# Altium PCB OpenFAN_Base_Pi2040.PcbDoc (continued)
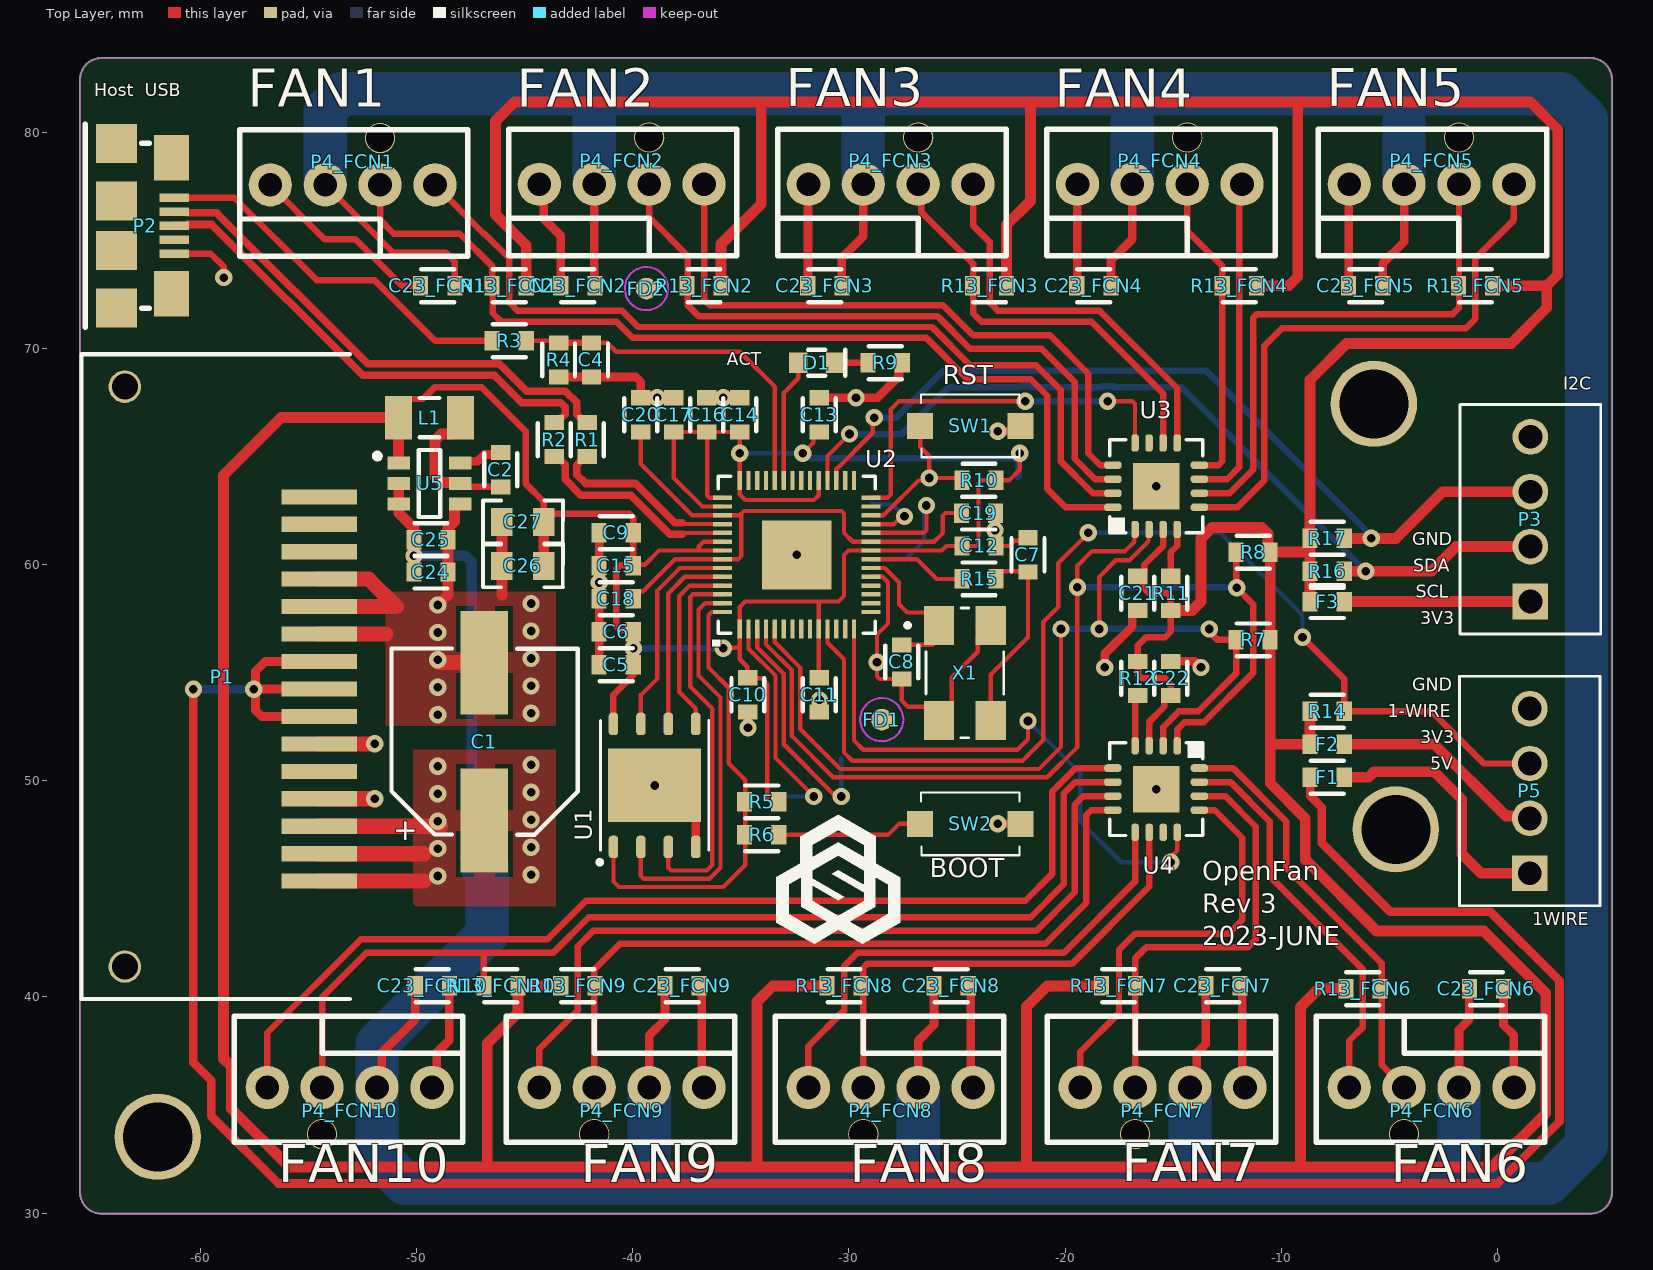
[diagram p0: Top Layer view]
## Part data
C1: "220 µF 20 V Aluminum - Polymer Capacitors Radial, Can - SMD 29mOhm 2000 Hrs @ 125°C", Distributor Part Number=399-A768KE227M1DLAE029TR-ND, Manufacturer=KEMET, Manufacturer Part Number=A768KE227M1DLAE029, Voltage=20V, Distributor=DigiKey
C2 C4 C5 C6 C7 C8 C9 C10 C11 C12 C13 C14 C15 C16 C17 C18 C19 C20 C21 C22 C23_FCN1 C23_FCN2 C23_FCN3 C23_FCN4 C23_FCN5 C23_FCN6 C23_FCN7 C23_FCN8 C23_FCN9 C23_FCN10 C24 C25 C26 C27: "Capacitor"
D1: "Typical RED GaAs LED", PackageDescription="LED; 2 Leads", PackageReference=LED-1
F1 F2 F3: library part "Fuse PTC Resettable", "Thermal Fuse", Distributor=DigiKey
FD1 FD2: library part Fiducial
P1: library part SATA-Power, URL=https://www.bsc-elec.com/product/Serial-ATA-SATA-15P-Female-Connector-SMT-Surface-Mount.html, URL2=https://www.smp-tech.com/_interconnect/specs/pdf/w/w310-1507-0mxx-z.pdf
P2: library part "USB Micro", "Micro USB Connector", Distributor=Digikey
P3 P5: library part Terminal-1546215-4, "4 Position Wire to Board Terminal Block Horizontal with Board 0.100\" (2.54mm) Through Hole", Distributor Part Number=A135088-ND, Manufacturer="TE Connectivity AMP Connectors", Distributor=DigiKey, Manufacturer Part Number=1546215-4
P4_FCN1 P4_FCN2 P4_FCN3 P4_FCN4 P4_FCN5 P4_FCN6 P4_FCN7 P4_FCN8 P4_FCN9 P4_FCN10: library part "Header 4-pin Intel Fan", "4 Positions Header Connector 0.100\" (2.54mm) Through Hole Tin", Manufacturer=Molex, Manufacturer Part Number=0470531000, Distributor=DigiKey, Distributor Part Number=WM4330-ND
R1 R2 R3 R4 R5 R6 R7 R8 R9 R10 R11 R12 R13_FCN1 R13_FCN2 R13_FCN3 R13_FCN4 R13_FCN5 R13_FCN6 R13_FCN7 R13_FCN8 R13_FCN9 R13_FCN10 R14 R15 R16 R17: "Resistor", PackageDescription="Axial Device, Thru-Hole; 2 Leads; 0.3 in Pin Spacing", PackageReference=AXIAL-0.3
U1: "FLASH - NOR Memory IC 32Mbit SPI - Quad I/O 133 MHz 8-WSON (6x5)", Distributor Part Number=W25Q32JVZPIQ-ND, Manufacturer="Winbond Electronics", Distributor=DigiKey, Manufacturer Part Number=W25Q32JVZPIQ
U2: library part SC0908(13), "ARM® Cortex®-M0+ - Microcontroller IC 32-Bit Dual-Core 133MHz External Program Memory 56-QFN (7x7)", Distributor Part Number=2648-SC0914(13)CT-ND, Manufacturer="Raspberry Pi", Manufacturer Part Number=SC0914(13), Distributor=DigiKey
U3 U4: "Motor Driver PWM 16-QFN (4x4)", Distributor Part Number=EMC2305-1-AP-CT-ND, Manufacturer="Microchip Technology", Distributor=DigiKey, Manufacturer Part Number=EMC2305-1-AP-TR
U5: "Buck Switching Regulator IC Positive Fixed 3.3V 1 Output 2A SOT-23-6 Thin, TSOT-23-6", Distributor Part Number=AP63203WU-7DICT-ND, Manufacturer="Diodes Incorporated", Distributor=DigiKey, Manufacturer Part Number=AP63203WU-7
X1: library part XTAL-ABMM2-12.000MHZ-E2-T, "CRYSTAL 12.0000MHZ 18PF SMD", Distributor Part Number=535-9631-1-ND, Manufacturer="Abracon LLC", Manufacturer Part Number=ABMM2-12.000MHZ-E2-T, Distributor=DigiKey

## Free pads (board coordinates)
  round 4 hole 3.2: ""(-61.976,33.528) ""(-5.715,67.437) ""(-4.699,47.752)

## Via types
v1: diameter 0.8, hole 0.4, Top Layer to Bottom Layer, tented both sides, 67 vias

## Nets (pads, with @x,y where several pads share a name; then routed paths per layer and width w, separated by ;. In a path a pad name is that pad's centre, name@x,y a point inside that pad or via, vN(x,y) a via of type N, cw(c..) or ccw(c..) an arc to the next point about the centre after c; other vN are vias at no path point)
1-WIRE: P5.3 R14.1 U2.11 | length 52.6
  Top Layer w0.2: U2.11 -30.988,56.388 -30.226,55.626 -30.226,51.308 -29.845,50.927 -21.971,50.927 -21.012,51.886 -21.012,57.347 -20.32,58.039 -20.32,60.071 v1(-18.923,61.468)
  Top Layer w0.3: v1(-9.017,56.642) -7.084,54.709 R14.1 -3.048,53.213 -0.635,50.8 P5.3
  Bottom Layer w0.2: v1(-18.923,61.468) -12.827,61.468 -9.017,57.658 v1(-9.017,56.642)
1V1: C18.2 C19.2 C20.2 U2.23 U2.45 U2.50 | length 27.3
  Top Layer w0.2: C18.2 -39.977,58.52 -39.727,58.77 -39.528,58.77 -38.049,60.249 U2.50 -35.128,60.249 -34.976,60.401 -34.976,62.274 ; C20.2 -39.624,64.643 -37.262,62.281 U2.45 -34.983,62.281 -34.976,62.274 ; C19.2 -25.537,62.387 -25.654,62.269 -25.654,61.468 -26.06,61.062 U2.23 -29.82,61.062 -30.226,61.468 -30.226,62.367 -30.343,62.484 -34.859,62.484 -34.976,62.367 -34.976,62.274
3V3: C5.2 C6.2 C9.2 C10.2 C11.2 C12.2 C13.2 C14.2 C15.2 C16.2 C17.2 C21.2 C22.2 C26.2 C27.2 F2.2 F3.2 L1.2 R5.1 R7.2 R8.2 R10.2 R11.2 R12.2 R13_FCN1.2 R13_FCN2.2 R13_FCN3.2 R13_FCN4.2 R13_FCN5.2 R13_FCN6.2 R13_FCN7.2 R13_FCN8.2 R13_FCN9.2 R13_FCN10.2 R14.2 R16.2 R17.2 TP1.1 U1.8 U2.1 U2.10 U2.22 U2.33 U2.42 U2.43 U2.44 U2.48 U2.49 U3.3 U4.3 U5.1 | length 437.7
  Top Layer w0.2: C15.2 -39.924,59.997 -39.444,59.997 -38.786,60.655 -36.946,60.655 ; U2.49@-35.862,60.655 -36.946,60.655 ; U2.44@-35.862,62.687 -36.779,62.687 -38.1,64.008 C17.2 C16.2 ; U2.43@-35.862,63.094 -36.446,63.094 -36.551,63.198 -36.551,66.114 C16.2 ; U2.48 -36.728,61.062 -36.946,60.844 -36.946,60.655 ; v1(-35.814,56.134) -35.794,56.154 -35.052,56.154 ; U2.1@-35.052,57.001 -35.052,56.154 ; U2.1 -35.052,58.039 -34.798,58.293 -31.394,58.293 ; U2.42 -35.052,63.246 -34.798,62.992 -31.613,62.992 -31.394,63.211 U2.33 ; U2.42@-35.052,63.903 v1(-35.052,65.151) C14.2 C16.2 ; R5.1 -33.655,49.022 -33.782,49.149 -33.782,54.483 -34.036,54.737 -34.643,54.737 C10.2 -34.704,54.798 -34.704,55.278 -35.052,55.626 -35.052,56.154 ; v1(-32.131,65.151) -31.639,65.643 -31.639,65.889 -31.389,66.139 C13.2 ; U2.10@-31.394,57.001 -31.394,54.79 C11.2 ; U2.10 -31.394,58.293 ; U2.22 -30.023,60.655 -30.226,60.452 -30.226,58.547 -30.48,58.293 -31.394,58.293 ; U2.22@-28.959,60.655 -25.705,60.655 -25.496,60.864 -25.043,60.864 C12.2@-24.793,61.114 ; C12.2 -24.122,60.863 -24.005,60.98 -24.005,63.793 -23.888,63.911 R10.2 -22.576,63.911 -22.098,64.389 v1(-22.098,65.151)
  Top Layer w0.3: L1.2 -50.838,67.197 -50.373,67.662 -49.712,67.662 -49.175,68.199 -46.99,68.199 -44.958,66.167 -44.958,63.754 -44.115,62.911 C27.2@-44.115,62.007 ; C27.2 C27.2@-44.115,62.007 ; U1.8 -40.894,53.975 -39.977,54.892 C5.2 v1(-39.977,56.134) C6.2 -40.055,56.974 -40.591,56.974 -40.767,57.15 -40.767,59.8 -40.591,59.976 C15.2@-40.177,59.976 ; C15.2 C9.2 -39.977,62.181 -40.153,62.357 -43.765,62.357 C27.2@-44.115,62.007 ; U4.3 -16.114,52.72 -15.413,53.421 -15.413,53.747 -15.213,53.947 C22.2 -15.113,54.483 -15.367,54.737 -16.461,54.737 -16.606,54.882 -16.606,55.496 R12.2 -16.637,56.261 -16.256,56.642 -15.367,56.642 -15.113,56.896 R11.2 -15.113,58.498 -15.289,58.674 -16.129,58.674 -16.383,58.928 -16.383,59.264 -16.456,59.337 -16.51,59.337 C21.2 -16.537,59.464 -16.337,59.664 -16.337,59.99 -15.464,60.863 U3.3
  Top Layer w0.5: U5.1 -50.833,64.709 -50.833,66.797 L1.2 -56.261,66.802 -58.928,64.135 -58.928,37.156 -58.576,36.803 -58.576,34.827 -55.88,32.131 -46.736,32.131 ; R13_FCN1.2 -44.93,74.775 -46.355,76.2 -46.355,80.518 -45.466,81.407 -34.056,81.407 ; C26.2 C27.2 ; R13_FCN9.2 R13_FCN10.2 -45.311,39.271 -46.736,37.846 -46.736,32.131 ; R13_FCN2.2 -35.913,74.831 -34.056,76.688 -34.056,81.407 ; R13_FCN8.2 -33.528,40.513 -34.257,39.784 -34.257,32.131 ; R13_FCN3.2 -22.705,75.72 -21.599,76.826 -21.599,81.407 ; R13_FCN7.2 -20.828,40.513 -21.779,39.562 -21.779,32.131 ; R11.2 -14.125,57.884 -13.716,58.293 -13.716,61.214 -13.208,61.722 -10.906,61.722 -10.613,61.429 -10.613,60.679 R8.2 ; R13_FCN4.2 -9.652,72.898 -9.235,73.315 -9.235,81.407 ; R14.2 F2.2 -8.667,51.692 -10.513,51.692 ; F3.2 R16.2 -8.664,60.452 ; R13_FCN6.2 -8.255,40.386 -9.106,39.535 -9.106,32.131 ; R13_FCN5.2 2.286,72.898 ; -46.736,32.131 -34.257,32.131 ; -34.257,32.131 -21.779,32.131 ; -34.056,81.407 -21.599,81.407 ; -21.779,32.131 -9.106,32.131 ; -21.599,81.407 -9.235,81.407 ; -10.513,51.692 R7.2 R8.2 ; -10.513,51.692 -10.513,49.883 -8.89,48.26 -8.89,46.355 -5.588,43.053 -0.635,43.053 2.238,40.18 2.238,34.623 -0.254,32.131 -9.106,32.131 ; R8.2 -8.791,60.579 -8.664,60.452 ; -9.235,81.407 1.524,81.407 2.794,80.137 2.794,73.406 2.286,72.898 ; -8.664,60.452 R17.2 -8.664,68.552 -6.985,70.231 0.635,70.231 2.286,71.882 2.286,72.898
  Bottom Layer w0.2: v1(-35.052,65.151) v1(-32.131,65.151)
  Bottom Layer w0.3: v1(-39.977,56.134) v1(-35.814,56.134) ; v1(-32.131,65.151) -31.996,65.151 -31.77,64.925 v1@-22.324,64.925 ; TP1.1 -22.15,64.086 -22.15,65.099 v1(-22.098,65.151)
5V: F1.2 P1.7 P1.8 P1.9 | length 122.2
  Top Layer w0.4: v1(-60.325,54.229) -60.325,36.957 -59.505,36.137 -59.505,34.486 -56.388,31.369 0,31.369 2.87,34.239 2.87,40.745 -0.327,43.942 -4.953,43.942 -8.128,47.117 -8.128,48.768 -8.664,49.304 F1.2 ; P1.9 -57.168,52.977 -57.454,53.263 -57.454,54.152 v1(-57.531,54.229) v1@-57.513,54.247 ; P1.8 v1@-57.513,54.247 ; P1.7 -57.005,55.517 -57.454,55.068 -57.454,54.306 v1@-57.513,54.247
  Bottom Layer w0.4: v1(-60.325,54.229) v1(-57.531,54.229)
12V: C1.1 C23_FCN1.2 C23_FCN2.2 C23_FCN3.2 C23_FCN4.2 C23_FCN5.2 C23_FCN6.2 C23_FCN7.2 C23_FCN8.2 C23_FCN9.2 C23_FCN10.2 C24.2 C25.2 P1.13 P1.14 P1.15 P4_FCN1.2 P4_FCN2.2 P4_FCN3.2 P4_FCN4.2 P4_FCN5.2 P4_FCN6.2 P4_FCN7.2 P4_FCN8.2 P4_FCN9.2 P4_FCN10.2 U5.2 U5.3 | length 305.8
  Top Layer w0.3: P4_FCN1.2 -51.082,74.422 -48.641,74.422 -48.232,74.013 C23_FCN1.2
  Top Layer w0.4: P4_FCN10.2 -51.613,36.033 -51.613,37.414 -50.066,38.961 C23_FCN10.2 ; P4_FCN2.2 -41.783,72.926 C23_FCN2.2 ; P4_FCN9.2 -39.243,38.227 -38.509,38.961 C23_FCN9.2 ; C23_FCN3.2 -30.325,74.196 -29.337,75.184 P4_FCN3.2 ; P4_FCN8.2 -26.797,37.973 -26.063,38.707 C23_FCN8.2 ; C23_FCN4.2 -17.879,74.069 -16.891,75.057 P4_FCN4.2 ; P4_FCN7.2 -13.918,36.12 -13.918,37.39 -13.49,37.818 C23_FCN7.2 ; C23_FCN5.2 -5.306,73.942 -4.318,74.93 P4_FCN5.2 ; P4_FCN6.2 -1.778,38.481 -1.298,38.961 C23_FCN6.2
  Top Layer w0.5: U5.2 U5.3 -50.828,62.385 -50.125,61.682 C25.2 v1(-50.125,60.407) C24.2
  Top Layer w0.7: P1.15 -49.657,45.357 ; P1.14 -49.657,46.627 ; P1.13 v1@-48.895,47.897 ; C1.1@-47.613,46.416 -46.863,47.166 C1.1
  Bottom Layer w0.5: v1(-50.125,60.407) -47.746,60.407 -47.453,60.114 -47.453,50.628
  Bottom Layer w1: -39.243,31.664 -38.948,31.369
  Bottom Layer w2: P4_FCN1.2 -54.229,81.029 -53.47,81.788 -41.778,81.788 ; -46.922,45.847 -46.736,46.033 -46.736,42.926 -51.832,37.83 P4_FCN10.2 -51.832,32.655 -50.546,31.369 -38.948,31.369 -26.795,31.369 ; P4_FCN2.2 -41.783,81.783 -41.778,81.788 ; -39.243,31.664 P4_FCN9.2 ; P4_FCN3.2 -29.337,81.712 -29.261,81.788 ; P4_FCN8.2 -26.797,31.371 -26.795,31.369 ; P4_FCN4.2 -16.891,81.681 -16.784,81.788 ; -14.224,31.369 P4_FCN7.2 ; P4_FCN5.2 -4.318,81.563 -4.093,81.788 ; P4_FCN6.2 -1.778,31.377 -1.77,31.369 ; -41.778,81.788 -29.261,81.788 ; -29.261,81.788 -16.784,81.788 ; -26.795,31.369 -14.224,31.369 -1.77,31.369 ; -16.784,81.788 -4.093,81.788 ; -4.093,81.788 2.953,81.788 4.125,80.616 4.125,33.147 2.347,31.369 -1.77,31.369
  other v1: -49.022,45.593 -44.704,45.659 -49.022,46.863 -44.704,46.929 -49.022,48.133 -44.704,48.199 -49.022,49.403 -44.704,49.469 -49.022,50.673 -44.704,50.739
ALERT1: U2.28 U3.12 | length 18.2
  Top Layer w0.2: U2.28 -28.219,63.094 -28.067,63.246 -28.067,67.183 -27.686,67.564 v1(-21.844,67.564) ; v1(-18.034,67.564) -16.891,67.564 -16.764,67.437 U3.12
  Bottom Layer w0.3: v1(-21.844,67.564) v1(-18.034,67.564)
ALERT2: U2.14 U4.12 | length 26.8
  Top Layer w0.2: U2.14 -29.769,51.867 -29.337,51.435 -22.204,51.435 -21.717,51.922 v1@-21.717,52.672 ; v1@-21.814,52.672 v1(-21.717,52.768) ; v1(-15.113,46.228) -15.113,46.482 -14.814,46.781 U4.12
  Bottom Layer w0.2: v1@-21.717,52.931 v1(-21.717,52.768) -19.304,50.355 -19.304,48.133 -17.399,46.228 v1(-15.113,46.228)
BOOT0: R6.1 SW2.2 | length 6.8
  Top Layer w0.2: R6.1 -28.194,47.498 -27.686,48.006 SW2.2
EXT_SCL: P3.2 R16.1 U2.32 | length 40
  Top Layer w0.2: U2.32 -30.988,65.024 v1(-29.972,66.04)
  Top Layer w0.5: R16.1 v1(-6.096,59.69) -3.048,59.69 -1.905,60.833 P3.2
  Bottom Layer w0.3: v1(-29.972,66.04) -27.559,66.04 -25.4,68.199 -22.166,68.199 -22.124,68.241 -21.564,68.241 -21.522,68.199 -18.356,68.199 -18.314,68.241 -17.754,68.241 -17.712,68.199 -14.605,68.199 v1(-6.096,59.69)
EXT_SDA: P3.3 R17.1 U2.31 | length 40.3
  Top Layer w0.2: U2.31 -30.582,64.414 -28.894,66.102 -28.894,66.737 v1(-28.829,66.802)
  Top Layer w0.5: R17.1 v1(-5.842,61.214) -4.699,61.214 -2.54,63.373 P3.3
  Bottom Layer w0.3: v1(-28.829,66.802) -27.813,66.802 -25.654,68.961 -13.462,68.961 -5.842,61.341 v1(-5.842,61.214)
GND: C1.2 C4.1 C5.1 C6.1 C7.1 C8.1 C9.1 C10.1 C11.1 C12.1 C13.1 C14.1 C15.1 C16.1 C17.1 C18.1 C19.1 C20.1 C21.1 C22.1 C23_FCN1.1 C23_FCN2.1 C23_FCN3.1 C23_FCN4.1 C23_FCN5.1 C23_FCN6.1 C23_FCN7.1 C23_FCN8.1 C23_FCN9.1 C23_FCN10.1 C24.1 C25.1 C26.1 C27.1 P1.4 P1.5 P1.6 P1.10 P1.12 P2.5 P3.4 P4_FCN1.1 P4_FCN2.1 P4_FCN3.1 P4_FCN4.1 P4_FCN5.1 P4_FCN6.1 P4_FCN7.1 P4_FCN8.1 P4_FCN9.1 P4_FCN10.1 P5.4 R4.1 R9.1 SW1.1 SW2.1 TP7.1 U1.4 U1.9 U2.19 U2.57 U3.17 U4.17 U5.4 X1.2 X1.4 | length 131.8
  Top Layer w0.2: U2.19 -28.448,59.436 -28.194,59.182 -28.194,57.277 -28.702,56.769 -28.702,54.826 -28.585,54.709 C8.1 -27.559,53.721 -27.264,53.426 -25.838,53.426 X1.2 -25.247,53.382 -25.247,54.763 -24.038,55.972 -24.038,56.591 X1.4 ; X1.4@-24.038,57.226 X1.4@-23.438,57.826 ; C12.1 -22.589,60.863 -22.35,61.101 -21.858,61.101 C7.1
  Top Layer w0.3: P2.5 -59.518,74.377 -58.928,73.787 v1(-58.928,73.279) ; P4_FCN1.1 -54.257,75.057 -52.832,75.057 -50.673,72.898 C23_FCN1.1
  Top Layer w0.4: P4_FCN10.1 -49.073,36.033 -49.073,37.414 -48.486,38.001 C23_FCN10.1 ; P4_FCN2.1@-44.4,77.52 P4_FCN2.1 -44.12,77.394 -44.12,75.997 -43.335,75.212 C23_FCN2.1 C23_FCN2.1@-43.257,72.976 ; R4.1@-43.495,68.682 -43.494,68.681 -41.912,68.681 C4.1 -39.858,68.679 -39.624,68.445 C20.1 C17.1 ; C5.1@-41.557,55.626 C6.1 C18.1 v1(-41.557,59.171) C15.1 C9.1 ; v1(-38.989,49.784) -38.584,49.784 -37.084,48.284 U1.4 ; C23_FCN9.1 -36.816,40.4 -36.816,35.927 P4_FCN9.1 ; C16.1 C14.1 ; v1(-34.671,52.451) C10.1 ; C23_FCN3.1 -31.891,72.912 -31.891,77.583 P4_FCN3.1 ; C11.1 -31.365,53.189 -31.365,53.738 v1(-31.36,53.742) ; C13.1 -28.674,67.719 -27.681,68.712 -27.681,69.192 R9.1 ; C23_FCN8.1 -24.37,40.4 -24.37,35.927 P4_FCN8.1 ; C12.1@-23.226,61.227 -23.226,61.58 v1(-23.241,61.595) -23.229,61.607 -23.229,62.383 C19.1@-23.226,62.387 ; v1(-23.114,48.006) SW2.1 ; v1(-23.114,66.167) SW1.1@-22.064,66.167 ; C23_FCN4.1 -19.445,72.912 -19.445,77.583 P4_FCN4.1 ; v1(-18.161,55.245) -18.161,55.88 -16.887,57.154 -16.887,57.734 -16.737,57.884 C21.1 ; C22.1 -13.998,55.527 v1(-13.716,55.245) ; C23_FCN7.1 -11.797,40.4 -11.797,35.927 P4_FCN7.1 ; C23_FCN5.1 -6.872,72.912 -6.872,77.583 P4_FCN5.1 ; C23_FCN6.1 0.282,38.707 0.762,38.227 P4_FCN6.1
  Top Layer w0.5: v1(-49.022,58.133) -48.545,58.61 C24.1 C25.1 -48.545,61.691 -48.253,61.983 -48.253,62.754 -48.203,62.804 U5.4 ; -46.055,58.593 C26.1 C27.1
  Top Layer w0.7: P1.12 v1(-51.943,49.167) ; P1.10 v1(-51.943,51.707) ; P1.6 -51.417,56.787 ; P1.5 -50.945,58.057 -52.215,59.327 P1.4 ; v1@-48.989,55.466 C1.2
  other v1: -15.789,49.616 -49.022,53.053 -44.704,53.119 -49.022,54.323 -44.704,54.389 -28.702,55.48 -49.022,55.593 -44.704,55.659 -49.022,56.863 -44.704,56.929 -44.704,58.199 -32.41,60.452 -15.789,63.627 -38.862,67.719 -35.814,67.719 -29.677,67.719
I2C1_SCL: R7.1 U2.5 U3.2 U4.2 | length 44.9
  Top Layer w0.2: U2.5 -33.426,56.413 -32.258,55.245 -32.258,52.405 -30.399,50.546 -21.209,50.546 -20.193,51.562 v1(-20.193,57.023) ; v1(-18.415,57.023) -18.415,59.436 -17.653,60.198 -17.018,60.198 -16.139,61.077 U3.2@-16.139,61.602
  Top Layer w0.3: U3.2@-16.139,61.602 U3.2 ; U4.2 -15.464,52.481 -14.732,53.213 -13.843,53.213 -12.093,54.963 R7.1 -12.954,56.515 -13.335,56.896 v1(-13.335,57.023)
  Bottom Layer w0.3: v1(-20.193,57.023) v1(-18.415,57.023) v1(-13.335,57.023)
I2C1_SDA: R8.1 U2.4 U3.1 U4.1 | length 50.7
  Top Layer w0.2: U2.4 -33.833,56.312 -32.639,55.118 -32.639,52.07 -30.734,50.165 -20.828,50.165 -19.431,51.562 v1(-19.431,58.96) -19.431,59.944 -18.75,60.625 -17.226,60.625 -16.789,61.062 U3.1@-16.789,61.602
  Top Layer w0.3: U3.1@-16.789,61.602 U3.1 ; U4.1 -14.814,52.369 -14.478,52.705 -13.589,52.705 -11.303,54.991 -11.303,58.166 v1(-12.065,58.928) -12.093,58.956 R8.1
  Bottom Layer w0.3: v1(-19.431,58.96) -19.415,58.944 -12.081,58.944 v1(-12.065,58.928)
LED0: D1.A U2.37 | length 5.7
  Top Layer w0.2: U2.37@-33.02,63.903 -33.02,67.945 -32.346,68.619 D1.A
NetC2_1: C2.1 U5.6 | length 2.1
  Top Layer w0.4: U5.6 -47.904,64.778 -47.178,64.778 -46.863,65.093 -46.187,65.093 C2.1
NetC2_2: C2.2 L1.1 U5.5 | length 6.8
  Top Layer w0.3: U5.5 -47.828,63.604 -47.006,63.604 -47.001,63.599 C2.2
  Top Layer w0.5: U5.5 -48.028,63.804 -48.856,63.804 -49.149,64.097 -49.149,65.749 -48.856,66.042 -48.333,66.042 -47.968,66.407 L1.1
NetC7_2: C7.2 R15.1 X1.3 | length 8.5
  Top Layer w0.178: C7.2@-21.745,59.69 C7.2
  Top Layer w0.2: X1.3@-23.438,53.426 -23.438,54.921 -21.717,56.642 C7.2 ; R15.1@-23.213,59.69 C7.2@-21.745,59.69
NetC8_2: C8.2 U2.20 X1.1 | length 7.6
  Top Layer w0.2: U2.20@-28.959,59.842 -28.346,59.842 -27.686,59.182 -27.686,58.166 -27.305,57.785 -25.879,57.785 -25.879,56.544 -26.134,56.289 C8.2
NetD1_K: D1.K R9.2 | length 1.5
  Top Layer w0.3: D1.K R9.2
NetF1_1: F1.1 P5.1 | length 12.1
  Top Layer w0.5: F1.1 -5.969,50.165 -5.715,50.419 -2.921,50.419 -1.651,49.149 -1.651,46.609 -0.762,45.72 P5.1
NetF2_1: F2.1 P5.2 | length 10
  Top Layer w0.5: F2.1 -2.921,51.689 0.39,48.378 1.382,48.378 P5.2
NetF3_1: F3.1 P3.1 | length 8.6
  Top Layer w0.5: F3.1 P3.1
NetR5_2: R5.2 R6.2 U1.1 U2.56 | length 21.2
  Top Layer w0.2: U1.1 -40.894,45.339 -40.64,45.085 -35.814,45.085 -34.798,46.101 -34.798,47.498 -34.798,49.022 -34.798,50.038 -35.56,50.8 -35.56,54.305 -36.5,55.245 -36.5,57.655 -36.345,57.81 U2.56@-35.862,57.81
NetR11_1: R11.1 U3.4 | length 2.3
  Top Layer w0.3: R11.1 -15.113,60.579 -14.814,60.878 U3.4
NetR12_1: R12.1 U4.4 | length 2.4
  Top Layer w0.3: U4.4 -16.764,53.82 R12.1
NetR15_2: R15.2 U2.21 | length 4.6
  Top Layer w0.2: U2.21 -26.848,60.249 -25.938,59.339 R15.2
NetU1_2: U1.2 U2.55 | length 18.9
  Top Layer w0.2: U1.2 -39.624,45.593 -39.497,45.466 -36.449,45.466 -35.941,45.974 -35.941,53.848 -36.957,54.864 -36.957,57.912 -36.652,58.217 U2.55@-35.862,58.217
NetU1_3: U1.3 U2.54 | length 17.5
  Top Layer w0.2: U1.3 -38.354,45.974 -38.227,45.847 -36.576,45.847 -36.322,46.101 -36.322,53.34 -37.338,54.356 -37.338,58.506 -37.221,58.623 U2.54@-35.862,58.623
NetU1_5: U1.5 U2.53 | length 8.4
  Top Layer w0.2: U1.5 -37.084,53.34 -37.846,54.102 -37.846,58.547 -37.363,59.03 U2.53
NetU1_6: U1.6 U2.52 | length 8.9
  Top Layer w0.2: U1.6 -38.354,58.674 -37.592,59.436 U2.52@-35.862,59.436
NetU1_7: U1.7 U2.51 | length 9.9
  Top Layer w0.2: U1.7 -39.624,53.975 -38.862,54.737 -38.862,58.801 -37.821,59.842 U2.51@-35.862,59.842
NRST: R10.1 SW1.2 TP2.1 U2.26 | length 7.8
  Top Layer w0.2: U2.26@-28.959,62.281 -28.397,62.281 -26.785,63.893 -26.404,63.893 v1(-26.289,64.008) ; SW1.2 -26.704,65.439 -26.289,65.024 v1(-26.289,64.008) ; R10.1@-24.793,64.262 -24.793,64.258 -25.043,64.008 v1(-26.289,64.008)
  Bottom Layer w0.3: TP2.1 v1(-26.289,64.008)
PWM1: P4_FCN1.4 U3.15 | length 40.4
  Top Layer w0.3: P4_FCN1.4 -46.891,75.311 -46.863,75.311 -45.72,74.168 -45.72,72.136 -45.339,71.755 -40.513,71.755 -39.751,70.993 -26.162,70.993 -24.384,69.215 -21.336,69.215 -20.193,68.072 -20.193,64.77 -18.725,63.302 U3.15
PWM2: P4_FCN2.4 U3.13 | length 29.6
  Top Layer w0.3: P4_FCN2.4 -36.703,72.263 -36.449,72.009 -25.654,72.009 -24.257,70.612 -20.701,70.612 -18.923,68.834 -18.923,65.151 -18.374,64.602 U3.13
PWM3: P4_FCN3.4 U3.9 | length 18.6
  Top Layer w0.3: P4_FCN3.4 -24.257,75.692 -23.495,74.93 -23.495,72.136 -23.114,71.755 -18.415,71.755 -14.814,68.154 U3.9
PWM4: P4_FCN4.4 U3.7 | length 15.2
  Top Layer w0.3: U3.7 -12.502,63.952 -11.938,64.516 -11.938,77.47 P4_FCN4.4
PWM5: P4_FCN5.4 U3.5 | length 27
  Top Layer w0.3: U3.5 -12.024,62.652 -10.795,63.881 -10.795,70.104 -9.955,70.944 -1.446,70.944 -1.016,71.374 -1.016,74.168 0.762,75.946 P4_FCN5.4
PWM6: P4_FCN6.4 U4.15 | length 18.4
  Top Layer w0.3: U4.15 -12.349,49.941 -10.541,48.133 -10.541,45.593 -6.223,41.275 -6.223,38.608 -6.858,37.973 P4_FCN6.4
PWM7: P4_FCN7.4 U4.13 | length 19.7
  Top Layer w0.3: P4_FCN7.4 -19.304,37.465 -17.506,39.263 -17.506,42.184 -16.764,42.926 -12.446,42.926 -11.811,43.561 -11.811,47.371 -13.081,48.641 U4.13
PWM8: P4_FCN8.4 U4.9 | length 23.7
  Top Layer w0.3: P4_FCN8.4 -31.877,37.719 -30.226,39.37 -30.226,41.424 -29.613,42.037 -20.066,42.037 -16.764,45.339 U4.9
PWM9: P4_FCN9.4 U4.7 | length 37.3
  Top Layer w0.3: P4_FCN9.4 -44.323,37.592 -42.545,39.37 -42.545,42.345 -41.837,43.053 -21.336,43.053 -19.551,44.838 -19.551,48.902 -19.162,49.291 U4.7
PWM10: P4_FCN10.4 U4.5 | length 49
  Top Layer w0.3: P4_FCN10.4 -56.912,38.338 -52.578,42.672 -43.942,42.672 -42.164,44.45 -21.844,44.45 -20.588,45.706 -20.588,49.516 -19.513,50.591 U4.5
SWCLK: TP4.1 U2.24 | length 6.7
  Top Layer w0.2: U2.24 -26.533,61.468 -26.416,61.585 v1(-26.416,62.738)
  Bottom Layer w0.2: TP4.1 -26.531,61.099 -26.531,62.623 v1(-26.416,62.738)
SWDIO: TP3.1 U2.25 | length 3.2
  Top Layer w0.2: U2.25 -27.915,61.874 v1@-27.686,62.103
  Bottom Layer w0.2: TP3.1 -28.883,62.792 -27.994,62.792 v1(-27.432,62.23)
TACH1: P4_FCN1.3 R13_FCN1.1 U3.16 | length 44.8
  Top Layer w0.3: P4_FCN1.3 -51.689,75.946 -51.054,75.311 -48.006,75.311 -46.51,73.815 R13_FCN1.1 -46.482,72.87 -46.482,71.628 -46.101,71.247 -40.767,71.247 -40.005,70.485 -26.416,70.485 -24.511,68.58 -21.59,68.58 -20.828,67.818 -20.828,63.5 -19.98,62.652 U3.16
TACH2: P4_FCN2.3 R13_FCN2.1 U3.14 | length 31.4
  Top Layer w0.3: P4_FCN2.3@-39.229,77.583 P4_FCN2.3 -39.243,76.073 -37.465,74.295 -37.465,72.009 -36.957,71.501 -25.908,71.501 -24.384,69.977 -21.082,69.977 -19.558,68.453 -19.558,64.897 -18.613,63.952 U3.14
TACH3: P4_FCN3.3 R13_FCN3.1 U3.10 | length 19.6
  Top Layer w0.3: P4_FCN3.3 -26.666,77.466 -26.666,76.323 -24.257,73.914 -24.257,72.898 -24.257,71.628 -23.876,71.247 -18.796,71.247 -15.464,67.915 U3.10
TACH4: P4_FCN4.3 R13_FCN4.1 U3.8 | length 14.7
  Top Layer w0.3: P4_FCN4.3 -14.351,75.438 -12.728,73.815 R13_FCN4.1 ; U3.8 -12.904,64.602 -12.728,64.778 R13_FCN4.1@-12.728,72.998
TACH5: P4_FCN5.3 R13_FCN5.1 U3.6 | length 25.4
  Top Layer w0.3: U3.6 -12.39,63.302 -11.303,64.389 -11.303,71.416 -11.127,71.592 -2.068,71.592 -1.778,71.882 -1.778,72.898 P4_FCN5.3
TACH6: P4_FCN6.3 R13_FCN6.1 U4.16 | length 19.6
  Top Layer w0.3: U4.16 -12.237,50.591 -9.779,48.133 -9.779,45.974 -5.362,41.557 -5.362,41.021 -5.362,40.386 -5.362,36.858 P4_FCN6.3
TACH7: P4_FCN7.3 R13_FCN7.1 U4.14 | length 20.3
  Top Layer w0.3: P4_FCN7.3 -16.764,40.513 -16.764,41.783 -16.256,42.291 -11.557,42.291 -11.176,42.672 -11.176,47.879 -12.588,49.291 U4.14
TACH8: P4_FCN8.3 R13_FCN8.1 U4.10 | length 22.8
  Top Layer w0.3: P4_FCN8.3 -29.337,40.513 -29.337,41.353 -29.161,41.529 -19.685,41.529 -16.114,45.1 U4.10
TACH9: P4_FCN9.3 R13_FCN9.1 U4.8 | length 34.9
  Top Layer w0.3: P4_FCN9.3 -41.783,41.275 -40.594,42.464 -20.909,42.464 -19.023,44.35 -19.023,48.414 -18.796,48.641 U4.8
TACH10: P4_FCN10.3 R13_FCN10.1 U4.6 | length 48.9
  Top Layer w0.3: P4_FCN10.3 -54.372,39.989 -52.324,42.037 -46.869,42.037 ; R13_FCN10.1 -46.891,42.015 -46.869,42.037 ; U4.6 -19.528,49.941 -20.069,49.4 -20.069,45.209 -21.59,43.688 -42.037,43.688 -43.688,42.037 -46.869,42.037
UART_RX: TP5.1 U2.3 | length 11.3
  Top Layer w0.2: U2.3 -34.239,56.165 -33.02,54.945 -33.02,51.689 -30.722,49.391 -30.468,49.391 v1(-30.353,49.276)
  Bottom Layer w0.2: v1(-30.353,49.276) TP5.1
UART_TX: TP6.1 U2.2 | length 10.6
  Top Layer w0.2: U2.2 -34.646,56.109 -33.401,54.864 -33.401,51.054 v1(-31.623,49.276)
  Bottom Layer w0.2: TP6.1 v1(-31.623,49.276)
USB_CON_N: P2.2 R1.2 | length 23.5
  Top Layer w0.35: P2.2 -61.189,76.302 -60.664,76.302 -60.631,76.269 -59.252,76.269 -59.055,76.073 -52.269,69.287 -46.173,69.287 -46.131,69.245 -44.913,68.027 -43.116,68.027 -42.597,67.509 -42.597,66.954 -42.392,66.749 -42.278,66.749 R1.2
USB_CON_P: P2.3 R2.2 | length 22.7
  Top Layer w0.185: R2.2 R2.2@-43.527,66.574
  Top Layer w0.35: P2.3 -61.189,75.702 -60.664,75.702 -60.631,75.734 -59.473,75.734 -52.491,68.752 -46.395,68.752 -46.352,68.71 -45.135,67.492 -43.337,67.492 -43.132,67.287 -43.132,66.968 -43.352,66.749 -43.452,66.749 R2.2
USB_DET: C4.2 R3.1 R4.2 U2.38 | length 16.7
  Top Layer w0.2: R3.1 -43.594,70.358 R4.2@-43.495,70.259 ; C4.2 -41.176,70.259 -40.767,69.85 -35.052,69.85 -33.426,68.224 U2.38@-33.426,63.903
  Top Layer w0.3: R4.2@-43.495,70.259 C4.2
USB_N: R1.1 U2.46 | length 9.1
  Top Layer w0.185: R1.1@-42.203,64.994 R1.1 ; -37.882,61.931 -37.82,61.869 -36.232,61.869 -36.229,61.871 -35.865,61.871 U2.46@-35.862,61.874
  Top Layer w0.35: R1.1 -42.278,64.819 -42.378,64.819 -42.597,64.599 -42.597,64.169 -42.183,63.754 -39.883,63.754 -38.06,61.931 -37.882,61.931 -37.705,61.931
USB_P: R2.1 U2.47 | length 10.1
  Top Layer w0.185: R2.1 R2.1@-43.527,64.994 ; -37.993,61.396 -37.915,61.474 -36.232,61.474 -36.229,61.471 -35.865,61.471 U2.47@-35.862,61.468
  Top Layer w0.35: R2.1 -43.452,64.819 -43.337,64.819 -43.132,64.614 -43.132,63.947 -42.404,63.219 -40.105,63.219 -38.282,61.396 -37.993,61.396 -37.705,61.396
VUSB: P2.1 R3.2 | length 17.4
  Top Layer w0.3: P2.1 -58.435,76.977 -54.61,73.152 -51.943,73.152 -49.149,70.358 R3.2
pads on no net: FD1. FD2. P1. P1.1 P1.2 P1.3 P1.11 P2. P2.4 P2.6 P2.7 P4_FCN1. P4_FCN2. P4_FCN3. P4_FCN4. P4_FCN5. P4_FCN6. P4_FCN7. P4_FCN8. P4_FCN9. P4_FCN10. U2.6 U2.7 U2.8 U2.9 U2.12 U2.13 U2.15 U2.16 U2.17 U2.18 U2.27 U2.29 U2.30 U2.34 U2.35 U2.36 U2.39 U2.40 U2.41 U3.11 U4.11

## Polygon pours and split planes (outlines as drawn)
GND on Top Layer "GND_L01_P002" (solid, pour order 2): -51.435,58.735 -51.435,52.536 -43.561,52.536 -43.561,58.735
12V on Top Layer "12V_L01_P003" (solid, pour order 3): -50.165,51.435 -50.165,44.323 -50.038,44.196 -43.561,44.196 -43.561,51.435
GND on Bottom Layer "GND_L02_P005" (solid, remove dead copper, pour order 5): -64.574,29.972 cw(c-64.574,30.972) -65.574,30.972 -65.574,82.439 cw(c-64.574,82.439) -64.574,83.439 4.302,83.439 cw(c4.302,82.439) 5.302,82.439 5.302,30.972 cw(c4.302,30.972) 4.302,29.972
12V on Bottom Layer "12V_L02_P001" (solid, pour order 1): -50.165,51.435 -50.165,44.323 -50.038,44.196 -43.561,44.196 -43.561,51.435

## Keep-outs
Keep-Out Layer:
  the board outline again, w0.1

## Other copper
Top Layer:
  text ".Layer_Name" at 14.846,33.007 h1
Bottom Layer:
  text ".Layer_Name" at 14.846,30.835 h1

## Silkscreen, mask and mechanical layers (free items; w line width, h text height)
Top Overlay:
  region: 12733 vertices and 4 holes, not listed, extent -33.365,42.463 -27.635,48.423
  text "Host  USB" at -64.911,81.469 h1
  text "FAN3" at -32.926,80.632 h3
  text "FAN5" at -7.907,80.632 h3
  text "FAN1" at -57.818,80.597 h3
  text "FAN2" at -45.372,80.597 h3
  text "FAN4" at -20.48,80.597 h3
  text "ACT" at -35.647,69.022 h1
  text "RST" at -25.664,68.034 h1.5
  text "I2C" at 3.042,67.879 h1
  text "GND" at -3.949,60.687 h1
  text "SDA" at -3.904,59.47 h1
  text "SCL" at -3.779,58.264 h1
  text "3V3" at -3.569,57.027 h1
  text "GND" at -3.949,53.956 h1
  text "1-WIRE" at -5.064,52.737 h1
  text "3V3" at -3.569,51.537 h1
  text "5V" at -3.103,50.297 h1
  text "BOOT" at -26.261,45.24 h1.5
  text "1WIRE" at 1.61,43.113 h1
  text "OpenFan / Rev 3 / 2023-JUNE" at -13.645,42.101 h1.5
  text ".Layer_Name" at 14.846,35.178 h1
  text "FAN7" at -17.382,30.89 h3
  text "FAN10" at -56.396,30.845 h3
  text "FAN9" at -42.401,30.842 h3
  text "FAN8" at -29.955,30.842 h3
  text "FAN6" at -4.936,30.842 h3
Bottom Overlay:
  region: 12733 vertices and 4 holes, not listed, extent -24.382,38.661 -15.877,47.506
  text "GND" at 0.028,65.594 h1
  text "SDA" at -0.017,63.054 h1
  text "SCL" at -0.142,60.514 h1
  text "3V3" at -0.352,57.978 h1
  text "GND" at 0.004,53.021 h1
  text "1-Wire" at 0.004,50.484 h1
  text "3V3" at 0.004,47.945 h1
  text "5V" at 0.004,45.406 h1
  text "OPEN FAN / REV 3 / 2023-JUNE / SASAKARANOVIC.COM" at -26.035,39.955 h2
  text ".Layer_Name" at 14.846,28.653 h1
Top Paste:
  text ".Layer_Name" at 14.846,39.541 h1
Top Solder:
  text ".Layer_Name" at 14.846,37.36 h1
Bottom Solder:
  text ".Layer_Name" at 14.846,26.482 h1
Drill Drawing:
  drawing of 238 lines, arcs and shapes, not listed
  text "Layer" at 33.664,64.135 h1.52
  text "Name" at 44.075,64.135 h1.52
  text "Material" at 67.691,64.135 h1.52
  text "Thickness" at 89.529,64.135 h1.52
  text "Constant" at 106.035,64.135 h1.52
  text "Board Layer Stack" at 120.509,64.135 h1.52
  text "Top Overlay" at 44.075,61.087 h1.52
  text "Top Solder" at 44.075,58.039 h1.52
  text "Solder Resist" at 67.691,58.039 h1.52
  text "0.010mm" at 89.529,58.039 h1.52
  text "3.5" at 106.035,58.039 h1.52
  text "1" at 33.664,54.991 h1.52
  text "Top Layer" at 44.075,54.991 h1.52
  text "0.035mm" at 89.529,54.991 h1.52
  text "Dielectric 1" at 44.075,51.943 h1.52
  text "FR-4" at 67.691,51.943 h1.52
  text "1.500mm" at 89.529,51.943 h1.52
  text "4.29" at 106.035,51.943 h1.52
  text "2" at 33.664,48.895 h1.52
  text "Bottom Layer" at 44.075,48.895 h1.52
  text "0.035mm" at 89.529,48.895 h1.52
  text "Bottom Solder" at 44.075,45.847 h1.52
  text "Solder Resist" at 67.691,45.847 h1.52
  text "0.010mm" at 89.529,45.847 h1.52
  text "3.5" at 106.035,45.847 h1.52
  text "Bottom Overlay" at 44.075,42.799 h1.52
  text "Total board thickness:" at 33.664,39.751 h1.52
  text "1.590mm" at 89.529,39.751 h1.52
  text "Symbol" at 33.972,32.956 h1.83
  text "Count" at 46.822,32.956 h1.83
  text "Hole Size" at 61.804,32.956 h1.83
  text "Plated" at 80.138,32.956 h1.83
  text "Hole Type" at 92.987,32.956 h1.83
  text "Via/Pad" at 111.625,32.956 h1.83
  text "2" at 46.822,29.146 h1.52
  text "1.200mm" at 61.804,29.146 h1.52
  text "PTH" at 80.138,29.146 h1.52
  text "Round" at 92.987,29.146 h1.52
  text "Pad" at 111.625,29.146 h1.52
  text "3" at 46.822,25.336 h1.52
  text "3.200mm" at 61.804,25.336 h1.52
  text "PTH" at 80.138,25.336 h1.52
  text "Round" at 92.987,25.336 h1.52
  text "Pad" at 111.625,25.336 h1.52
  text "10" at 46.822,21.526 h1.52
  text "1.300mm" at 61.804,21.526 h1.52
  text "PTH" at 80.138,21.526 h1.52
  text "Round" at 92.987,21.526 h1.52
  text "Pad" at 111.625,21.526 h1.52
  text "48" at 46.822,17.716 h1.52
  text "1.100mm" at 61.804,17.716 h1.52
  text "PTH" at 80.138,17.716 h1.52
  text "Round" at 92.987,17.716 h1.52
  text "Pad" at 111.625,17.716 h1.52
  text "67" at 46.822,13.906 h1.52
  text "0.400mm" at 61.804,13.906 h1.52
  text "PTH" at 80.138,13.906 h1.52
  text "Round" at 92.987,13.906 h1.52
  text "Via" at 111.625,13.906 h1.52
  text "130 Total" at 46.822,10.096 h1.52

## Text inside footprints (layer, text, board x,y; h text height)
C1: Top Overlay "+" at -50.097,47.116 h1 r90
P1: Mechanical 7 "PCB EDGE" at -65.2,57.097 h1 r270